# KiCad board Backplane_v2.kicad_pcb (continued)
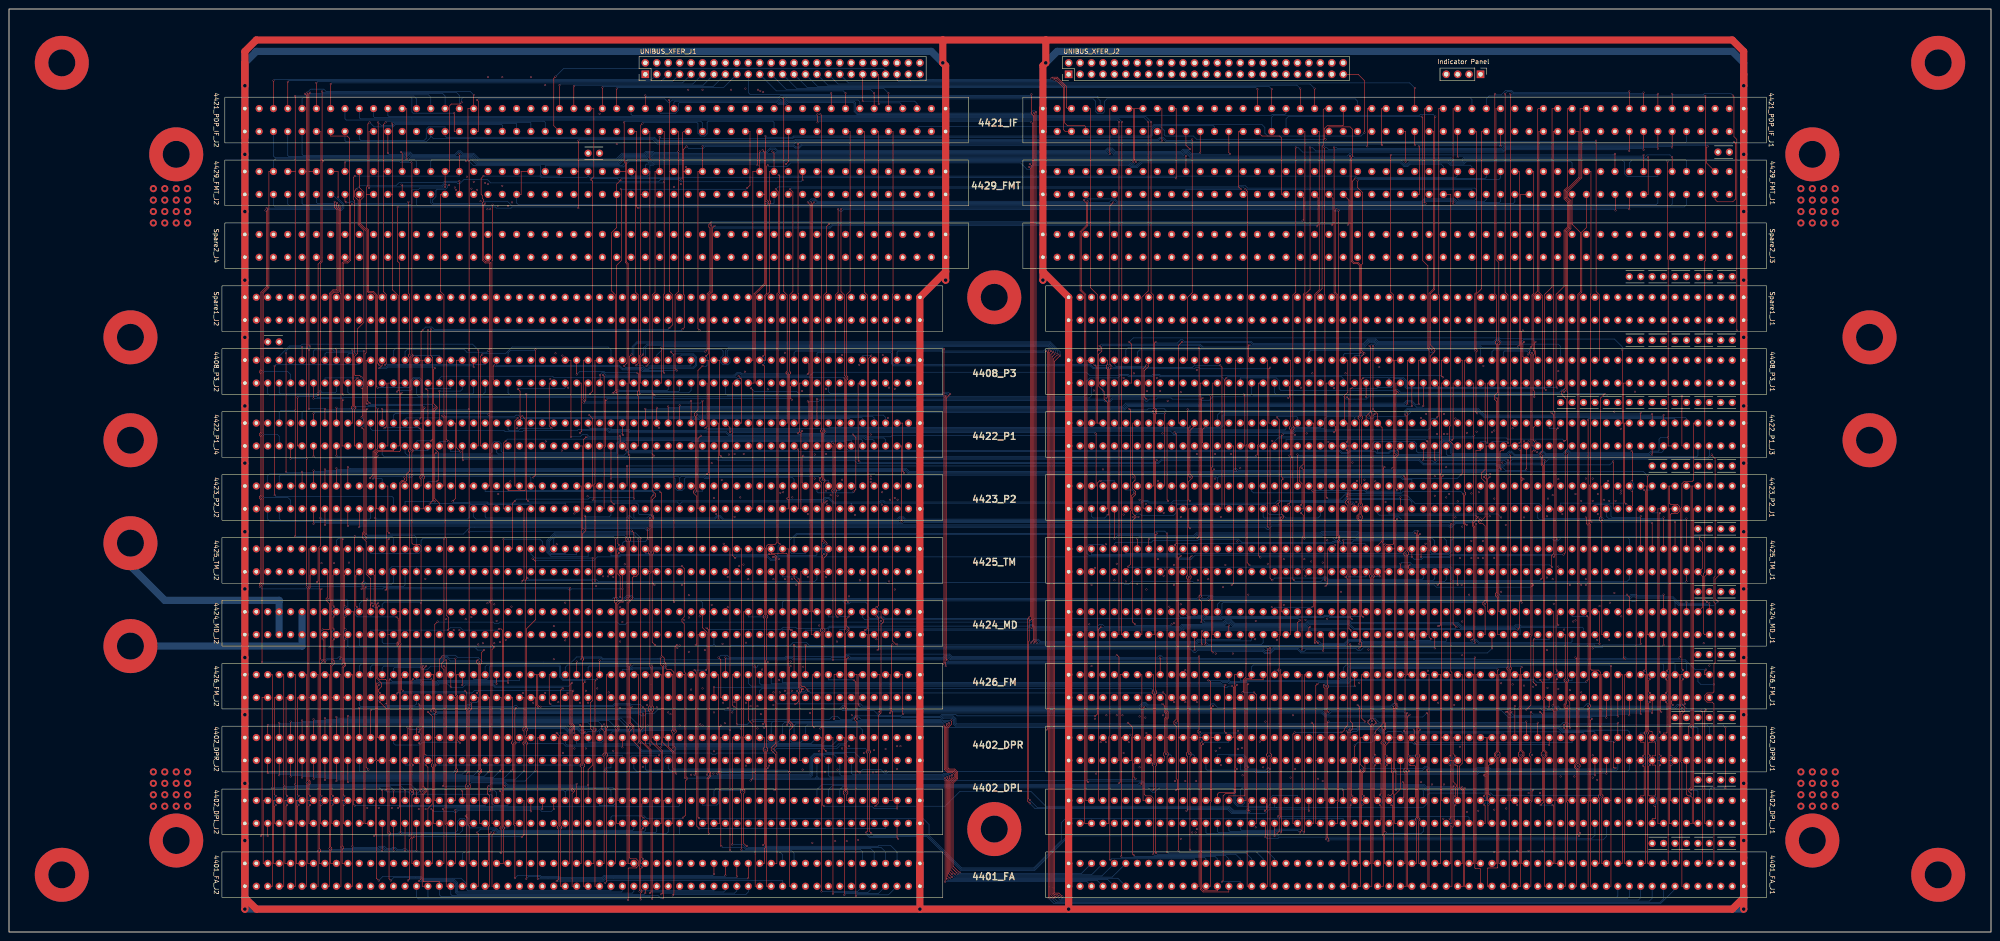
[diagram p0: board, top side]
## Routing (per net, layer and track width the routed paths; a pad name or vN(x,y) marks a point on that pad's centre or on a via; arc(x,y) is an arc through that point) (continued)
  F.Sig.In w0.127: v2(176.06,120.14) 175.8,119.89 175.8,112.01 176.06,111.76 176.44,111.76 176.82,111.38 4422_P1_J4.22 176.82,106.93 177.2,106.55 177.45,106.55 177.84,106.17 177.84,93.35 v2(177.33,92.84) ; 4423_P2_J1.107 250.48,97.15 249.46,96.14 249.46,93.09 249.85,92.71 250.48,92.71 250.73,92.46 v2(250.73,92.2)
  B.Sig.In w0.127: 4408_P3_J1.112 245.4,121.03 245.15,120.78 197.52,120.78 196.89,120.14 v2(176.06,120.14) ; v2(250.73,92.2) 250.73,92.46 250.48,92.71 248.32,92.71 247.56,91.95 187.74,91.95 186.85,92.84 v2(177.33,92.84)
PSL2DP: length 41.7
  F.SigTop w0.127: v2(252.51,125.86) 251.75,125.09 251.75,94.23 252,93.98 4423_P2_J1.106
  B.Sig.Top w0.127: v2(252.51,125.86) 252.26,125.6 245.78,125.6 245.4,125.98 4408_P3_J1.111
PSZIP*: length 261.7
  F.SigTop w0.127: v2(262.16,89.66) 261.91,89.92 261.91,93.98 4423_P2_J1.98 ; v2(127.54,89.41) 127.29,89.66 127.29,107.95 4422_P1_J4.62 ; 4408_P3_J1.49 323.12,127 323.12,97.79 323.38,97.54 323.38,97.15 323.12,96.9 323.12,90.8 323.5,90.42 v2(323.63,90.42)
  B.Sig.Top w0.127: v2(127.54,89.41) 127.8,89.66 141.13,89.66 141.64,89.15 141.89,89.15 142.66,89.92 261.91,89.92 v2(262.16,89.66) 262.42,89.92 278.8,89.92 279.31,89.41 279.56,89.41 280.32,90.17 319.57,90.17 319.82,89.92 320.33,89.92 321.09,90.68 323.25,90.68 323.5,90.42 v2(323.63,90.42)
PUSHA1: length 330.1
  F.SigTop w0.127: v2(207.55,129.54) 207.55,59.69 v2(207.43,59.56) ; 4426_FM_J1.13 370.88,57.15 370.88,15.24 4401_FA_J1.13
  B.Sig.Top w0.127: v2(207.43,59.56) 207.68,59.82 369.61,59.82 369.86,59.56 4426_FM_J1.13 ; 4408_P3_J2.35 159.04,129.16 159.68,129.79 207.3,129.79 v2(207.55,129.54)
PUSHA2: length 317.7
  F.SigTop w0.127: 4401_FA_J1.15 368.34,15.24 368.34,57.15 4426_FM_J1.15 ; v2(207.94,59.05) 207.94,59.69 207.81,59.82 207.81,118.87 v2(208.06,119.13)
  B.Sig.Top w0.127: v2(208.06,119.13) 159.55,119.13 159.04,119.63 4408_P3_J2.36 ; v2(207.94,59.05) 207.94,59.31 208.19,59.56 367.07,59.56 367.32,59.31 4426_FM_J1.15
RBUEQ*: length 306.5
  B.Sig.In w0.127: 4422_P1_J4.116 57.44,104.65 58.07,104.01 137.58,104.01 138.08,103.5 281.85,103.5 283.12,102.24 329.22,102.24 329.98,101.47 356.65,101.47 357.16,100.97 4423_P2_J1.23
RDOMA*: length 126.8
  F.SigTop w0.127: v2(330.49,130.94) 330.49,119.89 329.73,119.13 329.73,118.36 330.24,117.86 330.24,75.44 329.98,75.18 329.98,74.68 330.49,74.17 330.49,66.04 4424_MD_J1.44 ; v2(275.37,130.43) 275.12,130.18 275.12,127.76 4408_P3_J1.87
  B.Sig.Top w0.127: v2(275.37,130.43) 275.63,130.18 300.9,130.18 301.92,131.19 303.19,131.19 303.69,130.68 330.24,130.68 v2(330.49,130.94)
REFSYNC*: length 291.3
  F.SigTop w0.127: v2(135.67,74.42) 135.67,78.99 135.16,79.5 135.16,83.95 v2(135.42,84.2) ; 4408_P3_J2.53 135.16,127 135.16,86.23 v2(135.42,85.98) ; 4424_MD_J1.15 v2(367.32,74.93)
  B.Sig.Top w0.127: v2(135.42,84.2) 135.16,84.46 135.16,85.73 v2(135.42,85.98) ; v2(367.32,74.93) 367.07,74.68 361.48,74.68 361.22,74.93 360.04,74.93 359.53,74.42 267.37,74.42 266.99,74.8 264.45,74.8 263.69,74.04 138.85,74.04 138.08,74.8 137.2,74.8 136.56,74.17 135.93,74.17 v2(135.67,74.42)
REGACLKE: length 79.9
  F.SigTop w0.127: v2(381.04,45.47) v2(381.04,32) ; v2(345.22,45.97) 345.48,46.23 345.48,49.66 345.22,49.91 345.22,50.55 345.48,50.8 345.48,55.5 345.22,55.75 345.22,56.01 345.48,56.26 345.48,66.04 4424_MD_J1.34
  B.Sig.Top w0.127: v2(345.22,45.97) 376.97,45.97 377.48,45.47 ; 377.48,45.47 4402_DPR_J1.7 ; 377.48,45.47 377.99,45.97 380.53,45.97 v2(381.04,45.47) ; v2(381.04,32) 377.86,32 377.48,31.62 4402_DPL_J1.7
REGBCLKE: length 84.3
  F.SigTop w0.127: 376.46,38.1 4402_DPR_J1.8 ; 376.46,38.1 376.46,49.15 v2(376.72,49.4) ; 376.46,38.1 376.46,24.13 4402_DPL_J1.8 ; v2(342.68,50.29) 342.94,50.55 342.94,71.12 4424_MD_J1.35
  B.Sig.Top w0.127: v2(342.68,50.29) 342.81,50.16 343.95,50.16 344.46,49.66 369.99,49.66 370.62,50.29 371.76,50.29 372.4,49.66 376.46,49.66 v2(376.72,49.4)
RTM*: length 53.3
  F.SigTop w0.127: 4422_P1_J4.78 104.68,107.95 104.68,127.89 v2(105.06,128.27)
  B.Sig.Top w0.127: v2(105.06,128.27) 105.32,128.52 110.27,128.52 111.67,129.92 133,129.92 133.64,129.29 4408_P3_J2.55
RUN*: length 161.7
  F.SigTop w0.127: 4421_PDP_IF_J1.93 240.07,182.88 240.07,143.13 241.59,141.61 241.59,129.54 ; 4422_P1_J3.113 241.59,113.03 241.59,129.03 ; v2(242.1,129.29) 241.84,129.29 ; 241.84,129.29 241.59,129.03 ; 241.84,129.29 241.59,129.54 ; 241.59,129.54 241.59,129.03
  B.Sig.Top w0.127: 4408_P3_J1.47 326.68,129.41 326.43,129.67 264.96,129.67 264.32,130.3 242.86,130.3 242.1,129.54 v2(242.1,129.29)
RUNIND: length 155.1
  B.Sig.In w0.127: 4421_PDP_IF_J2.20 180.63,176.53 319.19,176.53 320.08,177.42 320.08,189.48 J39.4
SAMEX: length 74.4
  F.SigTop w0.127: 4423_P2_J1.19 363.51,99.06 v2(363.51,44.2) ; v2(362.75,36.96) 363,36.7 363,30.35 362.88,30.23 362.24,30.23 4402_DPL_J1.19 ; v2(362.75,39.12) 363,39.37 363,42.04 362.88,42.16 362.24,42.16 4402_DPR_J1.19
  B.Sig.Top w0.127: v2(362.75,36.96) 363.26,37.47 363.26,38.61 v2(362.75,39.12) ; v2(363.51,44.2) 362.24,44.2 4402_DPR_J1.19
SAMEY: length 72.9
  F.SigTop w0.127: 4423_P2_J1.20 361.22,93.98 361.22,38.1 ; 361.22,38.1 4402_DPR_J1.20 ; 361.22,38.1 361.22,24.13 4402_DPL_J1.20
SCIN: length 44.4
  F.SigTop w0.127: 4426_FM_J1.33 343.19,57.15 343.19,15.24 4401_FA_J1.33
SELA2: length 44.5
  F.SigTop w0.127: 4401_FA_J1.31 345.98,15.24 345.98,28.7 345.73,28.96 345.73,49.78 345.48,50.04 345.48,50.42 345.73,50.67 v2(345.73,55.88)
  B.Sig.Top w0.127: v2(345.73,55.88) 347,55.88 4426_FM_J1.31
SELMD: length 90.6
  F.SigTop w0.127: 4402_DPR_J1.75 292.14,43.18 ; 292.14,43.18 292.14,29.21 4402_DPL_J1.75 ; 292.14,43.18 292.14,54.1 291.88,54.36 v2(291.88,54.86) ; v2(339,54.86) 338.36,55.5 338.36,64.77 v2(338.62,65.02)
  B.Sig.Top w0.127: v2(338.62,65.02) 341.92,65.02 4424_MD_J1.36 ; v2(339,54.86) 337.98,55.88 298.11,55.88 297.34,55.12 292.14,55.12 v2(291.88,54.86)
SELREGB: length 297.7
  F.SigTop w0.127: v2(95.16,68.96) 94.52,68.33 94.52,49.53 94.78,49.28 94.78,48.77 94.52,48.51 94.52,43.18 ; 4424_MD_J1.33 343.7,70.36 343.7,68.45 v2(343.95,68.2) ; 94.52,43.18 4402_DPR_J2.85 ; 94.52,43.18 94.52,37.47 94.78,37.21 94.78,36.96 94.52,36.7 94.52,29.21 4402_DPL_J2.85
  B.Sig.Top w0.127: v2(343.95,68.2) 343.7,67.94 335.7,67.94 335.44,68.2 334.43,68.2 334.17,67.94 322.49,67.94 321.73,68.71 298.11,68.71 297.72,69.09 288.33,69.09 287.82,68.58 272.07,68.58 271.31,69.34 270.04,69.34 269.53,68.83 265.47,68.83 264.7,69.6 227.62,69.6 226.86,68.83 194.09,68.83 193.84,68.58 193.46,68.58 193.2,68.83 137.32,68.83 136.81,68.33 135.55,68.33 135.04,68.83 109,68.83 108.75,68.58 107.73,68.58 107.48,68.83 95.29,68.83 v2(95.16,68.96)
SETATMA*: length 244.1
  F.SigTop w0.127: 4423_P2_J2.100 v2(77.76,89.92) ; v2(279.44,89.92) 279.44,127 4408_P3_J1.85
  B.Sig.Top w0.127: v2(279.44,89.92) 279.18,90.17 78.01,90.17 v2(77.76,89.92)
SP2ADDR: length 139.2
  F.SigTop w0.127: v2(248.7,131.06) 249.21,130.56 249.21,121.92 4408_P3_J1.110 ; 4422_P1_J3.23 358.18,113.03 v2(358.18,129.29)
  B.Sig.Top w0.127: v2(248.7,131.06) 249.59,131.95 330.87,131.95 331,131.83 338.49,131.83 338.62,131.7 356.4,131.7 358.18,129.92 v2(358.18,129.29)
SP2DP: length 143
  F.SigTop w0.127: 4422_P1_J3.17 v2(364.78,115.06) ; v2(248.7,116.2) 248.96,115.95 248.96,93.98 4423_P2_J1.110
  B.Sig.Top w0.127: v2(364.78,115.06) 364.53,114.81 327.7,114.81 326.17,116.33 310.42,116.33 309.66,115.57 257.08,115.57 256.45,116.2 252.89,116.2 252.64,115.95 248.96,115.95 v2(248.7,116.2)
SP+DP00*: length 85.2
  F.Sig.In w0.127: v2(355.38,73.15) 355.64,73.41 355.64,94.49 354.75,95.38 354.75,96.01 355.64,96.9 355.64,99.57 v2(355,100.2) 355.38,100.58 355.38,104.9 355.64,105.16 355.64,113.03 4422_P1_J3.25 ; v2(324.14,74.93) 4424_MD_J1.49
  B.Sig.In w0.127: v2(355,100.2) 349.54,100.2 4423_P2_J1.29 ; v2(324.14,74.93) 324.14,74.04 324.52,73.66 354.87,73.66 v2(355.38,73.15)
SP+DP01*: length 84.3
  F.Sig.In w0.127: v2(352.59,64.9) 353.1,65.4 353.1,71.75 352.59,72.26 352.59,72.77 353.1,73.28 353.1,91.06 352.84,91.31 352.84,92.71 v2(352.72,92.84) 353.1,93.22 353.1,96.14 352.21,97.03 352.21,97.41 353.1,98.3 353.1,113.03 4422_P1_J3.27
  B.Sig.In w0.127: v2(352.72,92.84) 349.67,92.84 349.54,92.96 4423_P2_J1.30 ; v2(352.59,64.9) 339.51,64.9 339.13,64.52 326.55,64.52 325.79,65.28 324.9,65.28 4424_MD_J1.50
SP+DP02*: length 75.9
  F.Sig.In w0.127: v2(350.05,78.36) 350.56,78.87 350.56,100.2 v2(350.05,100.71) 350.56,101.22 350.56,113.03 4422_P1_J3.29 ; v2(322.49,77.09) 322.87,76.71 322.87,72.39 4424_MD_J1.51
  B.Sig.In w0.127: v2(350.05,100.71) 347.51,100.71 347,100.2 4423_P2_J1.31 ; v2(322.49,77.09) 323,76.58 347.13,76.58 348.4,77.85 349.54,77.85 v2(350.05,78.36)
SP+DP03*: length 74.4
  F.Sig.In w0.127: v2(322.62,68.96) 321.98,68.33 321.98,66.42 4424_MD_J1.52 ; 4422_P1_J3.31 348.02,113.03 348.02,98.17 347,97.15 4423_P2_J1.32 348.02,92.96 348.02,70.23 347.25,69.47 v2(347.25,68.96)
  B.Sig.In w0.127: v2(347.25,68.96) 347,69.22 322.87,69.22 v2(322.62,68.96)
SP+DP04*: length 161.7
  F.Sig.In w0.127: v2(321.6,95.63) 4423_P2_J1.51 ; v2(356.4,75.31) 356.14,75.56 356.14,95.25 v2(356.65,95.76) 356.14,96.27 356.14,102.74 358.18,104.77 358.18,111.38 v2(357.79,111.76)
  B.Sig.In w0.127: 4424_MD_J1.69 298.74,72.77 299.63,73.66 322.49,73.66 323.38,74.55 323.38,75.06 323.89,75.56 329.47,75.56 330.62,74.42 355.64,74.42 356.4,75.18 v2(356.4,75.31) ; v2(356.65,95.76) 356.02,96.39 355.25,96.39 354.37,95.5 352.72,95.5 351.95,96.27 343.32,96.27 342.81,95.76 321.73,95.76 v2(321.6,95.63) ; 4422_P1_J3.39 336.84,111.89 337.22,111.51 344.21,111.51 344.46,111.76 v2(357.79,111.76)
SP+DP05*: length 86.4
  F.Sig.In w0.127: v2(321.09,92.08) 320.96,92.08 320.58,92.46 320.58,93.98 ; 320.58,93.98 320.58,108.84 320.84,109.09 320.84,109.47 320.58,109.73 320.58,113.54 v2(321.09,114.05) ; 320.58,93.98 4423_P2_J1.52 ; v2(300.01,92.2) 300.01,70.49 299.76,70.23 299.76,66.04 4424_MD_J1.70
  B.Sig.In w0.127: v2(321.09,92.08) 320.84,92.33 300.14,92.33 v2(300.01,92.2) ; 4422_P1_J3.41 334.3,114.05 v2(321.09,114.05)
SP+DP06*: length 83.8
  F.Sig.In w0.127: v2(331.51,104.27) 331,104.27 330.74,104.52 330.74,113.03 4422_P1_J3.43 ; v2(319.06,103.25) 4423_P2_J1.53 ; v2(298.23,104.27) 297.47,103.5 297.47,96.39 296.71,95.63 296.71,95.25 297.22,94.74 297.22,71.12 4424_MD_J1.71
  B.Sig.In w0.127: 319.06,103.89 v2(319.06,103.25) ; 319.06,103.89 319.44,104.27 v2(331.51,104.27) ; 319.06,103.89 318.68,104.27 v2(298.23,104.27)
SP+DP07*: length 83.2
  F.Sig.In w0.127: v2(329.22,111) 4422_P1_J3.45 ; v2(299.12,95.5) 298.11,95.5 297.47,94.87 297.47,70.36 297.22,70.1 297.22,66.04 4424_MD_J1.72 ; v2(319.31,110.62) 319.57,110.36 319.57,108.97 320.08,108.46 320.08,98.55 319.06,97.54 v2(319.06,96.52) 4423_P2_J1.54
  B.Sig.In w0.127: v2(319.06,96.52) 318.81,96.27 316.52,96.27 315.76,97.03 308.77,97.03 306.74,95 305.34,95 304.84,95.5 v2(299.12,95.5) ; v2(319.31,110.62) 323.12,110.62 323.38,110.36 324.14,110.36 324.52,110.74 325.41,110.74 325.66,110.49 328.71,110.49 v2(329.22,111)
SP+DP08*: length 85.8
  F.SigTop w0.127: 4422_P1_J3.73 294.42,112.27 294.42,111.25 v2(294.17,111) ; 4424_MD_J1.81 282.48,71.12 282.48,91.57 282.99,92.08 282.99,92.33 282.48,92.84 282.48,100.33 v2(282.87,100.71) 282.48,101.09 282.48,110.24 v2(282.74,110.49)
  B.Sig.Top w0.127: v2(282.87,100.71) 283.12,100.97 308.9,100.97 309.41,100.46 311.44,100.46 4423_P2_J1.59 ; v2(282.74,110.49) 282.99,110.74 285.15,110.74 285.66,111.25 293.91,111.25 v2(294.17,111)
SP+DP09*: length 84.5
  F.SigTop w0.127: 4424_MD_J1.82 284.52,66.04 284.52,94.49 v2(284.01,95) 284.52,95.5 284.52,105.16 284.77,105.41 v2(284.77,112.01)
  B.Sig.Top w0.127: v2(284.77,112.01) 291.12,112.01 4422_P1_J3.75 ; v2(284.01,95) 284.39,95.38 296.45,95.38 297.09,96.01 310.93,96.01 311.44,95.5 4423_P2_J1.60
SP+DP10*: length 72.7
  F.SigTop w0.127: 4422_P1_J3.77 289.6,113.03 289.6,98.3 v2(289.34,98.04) 289.6,97.79 289.6,72.39 v2(289.34,72.14)
  B.Sig.Top w0.127: v2(289.34,72.14) 280.96,72.14 4424_MD_J1.83 ; 4423_P2_J1.61 308.9,97.66 301.28,97.66 300.9,98.04 v2(289.34,98.04)
SP+DP11*: length 86.4
  F.SigTop w0.127: 4424_MD_J1.84 281.98,66.04 281.98,94.62 v2(281.6,95) 281.98,95.38 281.98,113.79 v2(281.47,114.3) ; v2(308.9,96.52) 4423_P2_J1.62
  B.Sig.Top w0.127: v2(308.9,96.52) 308.9,96.39 308.77,96.27 296.96,96.27 296.33,95.63 282.23,95.63 v2(281.6,95) ; 4422_P1_J3.79 286.04,114.3 285.79,114.55 281.72,114.55 v2(281.47,114.3)
SP+DP12*: length 123
  F.Sig.In w0.127: v2(292.64,69.6) 292.64,76.07 292.9,76.33 292.9,76.96 292.64,77.22 292.64,85.22 292.14,85.73 292.14,98.81 292.39,99.06 ; v2(258.61,68.58) 258.86,68.83 258.86,70.36 4424_MD_J1.101 ; 292.39,99.06 4423_P2_J1.75 ; 292.39,99.06 292.39,108.33 v2(292.9,108.84)
  B.Sig.In w0.127: v2(258.61,68.58) 258.86,68.33 265.08,68.33 265.34,68.58 287.82,68.58 288.83,69.6 v2(292.64,69.6) ; v2(292.9,108.84) 291.75,109.98 285.02,109.98 284.01,111 278.42,111 278.17,111.25 267.88,111.25 267.24,111.89 267.24,113.79 266.86,114.17 253.4,114.17 253.02,113.79 4422_P1_J3.105
SP+DP13*: length 106
  F.SigTop w0.127: 249.97,91.95 250.1,92.08 v2(250.1,92.2) 250.1,92.33 249.97,92.46 ; 249.97,91.95 249.97,92.46 ; 249.97,91.95 249.46,91.44 249.46,68.83 v2(249.97,68.33) ; 249.97,92.46 249.46,92.96 249.46,96.52 250.11,97.16 250.11,97.78 249.46,98.42 249.46,99.82 249.97,100.33 249.97,101.22 249.46,101.73 249.46,113.03 4422_P1_J3.107
  F.Sig.In w0.127: v2(258.1,68.33) 4424_MD_J1.102
  B.Sig.Top w0.127: v2(250.1,92.2) 250.1,92.58 250.35,92.84 251.12,92.84 251.5,92.46 258.48,92.46 259.12,93.09 259.12,94.62 259.5,95 278.93,95 279.44,94.49 279.44,93.09 279.82,92.71 282.74,92.71 283.5,91.95 290.61,91.95 291.12,92.46 4423_P2_J1.76 ; v2(249.97,68.33) 250.23,68.07 257.85,68.07 v2(258.1,68.33)
SP+DP14*: length 121.1
  F.Sig.In w0.127: 287.56,99.06 4423_P2_J1.77 ; 287.56,99.06 287.56,88.01 288.07,87.5 288.07,87.25 287.56,86.74 287.56,83.69 288.07,83.18 288.07,81.03 v2(287.56,80.52) ; 287.56,99.06 287.56,110.24 v2(288.07,110.74) ; v2(287.82,79.12) 287.56,78.87 287.56,69.6 v2(287.82,69.34)
  B.Sig.In w0.127: v2(288.07,110.74) 287.56,111.25 278.55,111.25 278.29,111.51 270.04,111.51 269.28,112.27 269.28,114.05 268.89,114.43 248.57,114.43 247.94,113.79 4422_P1_J3.109 ; 4424_MD_J1.103 255.56,70.1 255.81,69.85 287.31,69.85 v2(287.82,69.34) ; v2(287.82,79.12) 287.56,79.38 v2(287.56,80.52)
SP+DP15*: length 92.8
  F.Sig.In w0.127: v2(256.07,110.74) 256.58,110.24 256.58,93.35 v2(256.32,93.09) 256.58,92.84 256.58,89.03 256.32,88.77 256.32,88.26 256.58,88.01 v2(256.58,80.52) ; 4424_MD_J1.104 256.58,66.04 256.58,78.87 v2(256.32,79.12)
  B.Sig.In w0.127: v2(256.32,79.12) 256.58,79.38 v2(256.58,80.52) ; v2(256.07,110.74) 255.56,111.25 245.91,111.25 245.4,111.76 4422_P1_J3.111 ; v2(256.32,93.09) 256.7,92.71 259.24,92.71 259.5,92.96 260.39,92.96 260.64,92.71 286.29,92.71 286.42,92.58 288.33,92.58 288.58,92.84 4423_P2_J1.78
SPA2PNL: length 117.2
  F.SigTop w0.127: 4408_P3_J1.82 284.26,121.16 284.26,118.87 v2(284.01,118.62) ; 4422_P1_J4.21 177.58,113.79 177.58,117.6 v2(177.33,117.86)
  B.Sig.Top w0.127: v2(177.33,117.86) 179.74,117.86 180,118.11 242.99,118.11 243.24,117.86 244.51,117.86 245.02,118.36 251.88,118.36 252.38,117.86 252.64,117.86 253.15,118.36 254.67,118.36 254.93,118.62 257.97,118.62 258.23,118.36 264.45,118.36 264.7,118.11 266.48,118.11 267.24,118.87 283.75,118.87 v2(284.01,118.62)
SPD2PNL: length 115.6
  F.SigTop w0.127: v2(284.26,105.79) 284.52,106.04 284.52,111.51 284.26,111.76 284.26,112.14 284.52,112.39 284.52,127 4408_P3_J1.81
  B.Sig.Top w0.127: 4422_P1_J3.10 374.94,105.79 374.69,105.54 284.52,105.54 v2(284.26,105.79)
SPEC*: length 101.2
  F.Sig.In w0.127: v2(191.3,110.49) 191.3,111.25 191.04,111.51 191.04,121.92 4408_P3_J2.10
  B.Sig.In w0.127: 4422_P1_J4.77 105.7,111.63 105.95,111.38 109.89,111.38 110.14,111.12 113.95,111.12 114.21,111.38 153.2,111.38 153.45,111.12 155.61,111.12 155.87,111.38 159.29,111.38 159.42,111.51 175.55,111.51 175.8,111.76 190.79,111.76 191.3,111.25 v2(191.3,110.49)
SPIN*: length 182.2
  F.SigTop w0.127: 4408_P3_J1.51 322.62,127 322.62,101.85 v2(322.24,101.47) ; v2(262.16,112.27) 261.91,112.01 261.91,101.22 v2(262.16,100.97)
  B.Sig.Top w0.127: 268.26,100.84 4423_P2_J1.93 ; 268.26,100.84 267.88,101.22 262.42,101.22 v2(262.16,100.97) ; 268.26,100.84 268.64,101.22 309.03,101.22 309.54,100.71 321.47,100.71 v2(322.24,101.47) ; v2(262.16,112.27) 261.91,112.01 182.15,112.01 181.9,112.27 4422_P1_J4.17
SR2HD*: length 291.5
  F.SigTop w0.127: v2(297.72,172.34) 297.72,121.92 4408_P3_J1.70
  B.Sig.Top w0.127: 4421_PDP_IF_J2.92 65.06,172.72 65.31,172.47 87.67,172.47 87.92,172.72 88.81,172.72 89.32,172.21 102.78,172.21 104.05,170.94 135.16,170.94 136.43,172.21 141.39,172.21 141.77,172.59 142.66,172.59 142.91,172.34 260.64,172.34 261.15,172.85 261.4,172.85 262.16,172.08 297.47,172.08 v2(297.72,172.34)
SRADEC: length 62.4
  F.SigTop w0.127: 4423_P2_J2.22 175.8,93.98 175.8,111 v2(176.06,111.25)
  B.Sig.Top w0.127: v2(176.06,111.25) 175.8,111.51 154.85,111.51 154.72,111.38 137.96,111.38 137.7,111.63 133.77,111.63 133.64,111.76 4422_P1_J4.55
SRAINC: length 54.8
  F.SigTop w0.127: v2(133.64,100.71) 4422_P1_J4.56
  B.Sig.Top w0.127: v2(133.64,100.71) 133.89,100.97 147.61,100.97 147.86,100.71 147.86,98.55 148.37,98.04 149.39,98.04 149.9,98.55 149.9,100.58 150.28,100.97 154.21,100.97 154.47,100.71 155.48,100.71 155.74,100.97 173.9,100.97 174.28,100.58 4423_P2_J2.23
SRAOVD: length 55.9
  F.Sig.In w0.127: 4423_P2_J2.47 144.82,99.06 144.82,111.51 v2(144.31,112.01)
  B.Sig.In w0.127: 4422_P1_J4.15 184.44,112.01 175.68,112.01 175.42,111.76 159.29,111.76 159.17,111.63 155.74,111.63 155.48,111.38 154.09,111.38 153.83,111.63 144.69,111.63 v2(144.31,112.01)
SRSWE*: length 84.5
  F.Sig.In w0.127: v2(178.85,100.71) 178.34,100.2 178.34,93.98 4423_P2_J2.20 ; 4422_P1_J4.74 111.54,107.19 111.54,100.33 v2(111.29,100.08)
  B.Sig.In w0.127: v2(178.85,100.71) 178.73,100.84 152.82,100.84 152.44,101.22 133.51,101.22 132.88,100.58 121.07,100.58 120.56,100.08 v2(111.29,100.08)
STA2PNL: length 105.3
  F.SigTop w0.127: v2(371.38,119) 371.38,107.95 4422_P1_J3.12
  B.Sig.Top w0.127: v2(371.38,119) 371,119.38 355,119.38 354.62,119 348.27,119 347.89,119.38 281.34,119.38 280.96,119.76 4408_P3_J1.84
TM2A1: length 245.8
  F.SigTop w0.127: v2(161.2,83.06) 160.56,83.69 160.56,121.92 4408_P3_J2.34
  B.Sig.Top w0.127: 4425_TM_J1.21 359.7,87.25 359.32,87.63 344.59,87.63 343.82,86.87 343.06,86.87 342.56,87.38 320.71,87.38 320.33,87 320.33,84.58 319.57,83.82 310.55,83.82 310.3,83.57 309.92,83.57 309.79,83.69 263.31,83.69 262.42,82.8 259.5,82.8 258.99,83.31 170.85,83.31 170.09,82.55 169.07,82.55 168.31,83.31 161.45,83.31 v2(161.2,83.06)
TM2DP: length 136.1
  F.SigTop w0.127: v2(249.72,97.41) 249.21,96.9 249.21,93.73 248.96,93.47 248.96,81.66 v2(248.45,81.15)
  B.Sig.Top w0.127: v2(249.72,97.41) 249.72,97.79 249.34,98.17 247.94,98.17 4423_P2_J1.109 ; 4425_TM_J1.22 359.7,78.36 359.19,77.85 320.2,77.85 320.08,77.98 320.08,80.77 319.82,81.03 248.57,81.03 v2(248.45,81.15)
TM2M1: length 41.5
  F.SigTop w0.127: v2(138.72,96.27) 4423_P2_J2.51 ; v2(112.3,95.76) 111.8,95.25 111.8,85.09 4425_TM_J2.73
  B.Sig.Top w0.127: v2(138.72,96.27) 138.47,96.52 128.94,96.52 128.57,96.15 112.69,96.15 v2(112.3,95.76)
TM2PNL: length 305
  F.SigTop w0.127: 4408_P3_J1.48 327.7,121.92 327.7,102.74 326.93,101.98 326.93,100.71 327.7,99.95 327.7,92.2 v2(326.68,91.19)
  B.Sig.Top w0.127: 4423_P2_J2.116 57.44,91.69 57.95,91.19 197.46,91.19 197.97,91.69 198.28,91.69 198.79,91.19 v2(326.68,91.19)
TMA00: length 30.9
  F.SigTop w0.127: 4423_P2_J1.25 353.6,99.06 v2(353.6,91.57) ; 4425_TM_J1.13 v2(369.86,91.06)
  B.Sig.Top w0.127: v2(369.86,91.06) 369.61,91.31 353.86,91.31 v2(353.6,91.57)
TMA01: length 21.7
  F.SigTop w0.127: 4425_TM_J1.15 v2(367.32,92.08)
  B.Sig.Top w0.127: 4423_P2_J1.26 354.62,92.33 355.13,91.82 367.07,91.82 v2(367.32,92.08)
TMA02: length 28.4
  F.SigTop w0.127: 4423_P2_J1.27 351.06,99.06 351.06,91.31 v2(351.32,91.06) ; 4425_TM_J1.17 v2(364.78,90.8)
  B.Sig.Top w0.127: v2(364.78,90.8) 364.53,91.06 v2(351.32,91.06)
TMA2PNL: length 101.8
  F.Sig.In w0.127: 4423_P2_J1.37 338.11,99.06 338.11,108.58 337.86,108.84 337.86,127.63 v2(337.22,128.27)
  B.Sig.In w0.127: 4408_P3_J1.93 268.26,128.27 268.64,128.65 299.38,128.65 299.88,129.16 315.12,129.16 315.63,128.65 336.84,128.65 v2(337.22,128.27)
TMA03: length 21
  F.SigTop w0.127: 4425_TM_J1.19 v2(362.24,92.33)
  B.Sig.Top w0.127: 4423_P2_J1.28 352.08,95 355.13,95 355.64,94.49 355.64,92.33 355.89,92.08 361.99,92.08 v2(362.24,92.33)
TMA04: length 46.7
  F.Sig.In w0.127: v2(357.79,97.41) 358.18,97.03 358.18,85.09 4425_TM_J1.23
  B.Sig.In w0.127: v2(357.79,97.41) 357.16,96.77 343.06,96.77 342.81,96.52 342.56,96.52 342.05,97.03 330.49,97.03 329.6,97.92 326.68,97.92 4423_P2_J1.47
TMA05: length 45.1
  F.Sig.In w0.127: 4423_P2_J1.48 326.3,94.36 v2(326.3,97.66) ; v2(354.11,96.01) 353.6,95.5 353.6,92.2 354.11,91.69 354.11,91.44 353.6,90.93 353.6,85.09 4425_TM_J1.25
  B.Sig.In w0.127: v2(326.3,97.66) 329.47,97.66 330.36,96.77 341.92,96.77 342.43,96.27 342.94,96.27 343.19,96.52 353.6,96.52 v2(354.11,96.01)
TMA06: length 47.4
  F.Sig.In w0.127: 4425_TM_J1.27 351.06,85.09 351.06,90.17 351.83,90.93 351.83,91.31 351.06,92.08 351.06,94.49 352.08,95.5 352.08,96.14 351.06,97.15 351.06,100.2 v2(351.57,100.71)
  B.Sig.In w0.127: 4423_P2_J1.49 324.14,100.08 346.49,100.08 347.52,101.1 351.18,101.1 v2(351.57,100.71)
TMA07: length 38.3
  F.Sig.In w0.127: 4425_TM_J1.29 348.52,85.09 348.52,95.5 348.78,95.76 v2(349.03,95.76)
  B.Sig.In w0.127: v2(349.03,95.76) 348.78,95.5 324.52,95.5 324.14,95.12 4423_P2_J1.50
TMA08: length 47.6
  F.Sig.In w0.127: 4425_TM_J1.33 344.46,87.5 343.44,88.52 343.44,100.08 v2(343.95,100.58) ; v2(316.52,101.22) 4423_P2_J1.55
  B.Sig.In w0.127: v2(316.52,101.22) 317.03,100.71 322.24,100.71 322.62,101.09 322.62,101.35 323,101.73 327.7,101.73 327.95,101.47 327.95,100.97 328.33,100.58 334.55,100.58 334.94,100.97 343.56,100.97 v2(343.95,100.58)
TMA09: length 41.2
  F.Sig.In w0.127: v2(316.52,96.9) 4423_P2_J1.56 ; v2(341.67,96.27) 342.94,95 342.94,85.09 4425_TM_J1.35
  B.Sig.In w0.127: v2(316.52,96.9) 316.65,97.03 319.19,97.03 319.44,96.77 329.98,96.77 330.24,96.52 341.29,96.52 341.54,96.27 v2(341.67,96.27)
TMA10: length 40.3
  F.Sig.In w0.127: v2(314.49,86.23) 315,86.74 315,99.06 4423_P2_J1.57
  B.Sig.In w0.127: v2(314.49,86.23) 314.74,86.49 324.14,86.49 324.39,86.23 339.38,86.23 4425_TM_J1.37
TMA11: length 32.4
  F.Sig.In w0.127: v2(336.33,92.08) 335.82,91.57 335.82,85.09 4425_TM_J1.39
  B.Sig.In w0.127: v2(336.33,92.08) 335.82,91.57 330.11,91.57 328.84,92.84 313.98,92.84 4423_P2_J1.58
TMA12: length 70.6
  F.Sig.In w0.127: 4423_P2_J1.71 295.18,98.04 295.18,76.07 v2(295.69,75.56) ; v2(331.25,75.56) 330.74,76.07 330.74,85.09 4425_TM_J1.43
  B.Sig.In w0.127: v2(331.25,75.56) 331,75.82 295.95,75.82 v2(295.69,75.56)
TMA13: length 49.9
  F.Sig.In w0.127: 4425_TM_J1.45 330.24,85.09 330.24,95.76 v2(329.73,96.27)
  B.Sig.In w0.127: 4423_P2_J1.72 296.2,92.84 299.25,92.84 299.5,93.09 300.52,93.09 300.77,92.84 306.87,92.84 307.38,93.35 307.38,95.25 308.14,96.01 319.31,96.01 319.69,96.39 329.6,96.39 v2(329.73,96.27)
TMA14: length 51
  F.Sig.In w0.127: 4425_TM_J1.47 327.44,85.85 327.44,86.61 v2(327.19,86.87) ; v2(292.64,87) 292.64,95.5 293.15,96.01 293.15,96.65 292.64,97.15 292.64,99.06 4423_P2_J1.73
  B.Sig.In w0.127: v2(327.19,86.87) 326.68,87.38 299.12,87.38 298.87,87.63 296.2,87.63 295.31,86.74 292.9,86.74 v2(292.64,87)
TMA15: length 42.1
  F.Sig.In w0.127: v2(324.65,86.87) 324.9,86.61 324.9,85.85 4425_TM_J1.49 ; v2(294.42,85.98) 294.42,86.61 294.17,86.87 294.17,87.63 294.68,88.14 294.68,93.98 4423_P2_J1.74
  B.Sig.In w0.127: v2(294.42,85.98) 294.68,86.23 304.58,86.23 305.09,86.74 324.52,86.74 v2(324.65,86.87)
TMALD*A: length 122.3
  F.SigTop w0.127: v2(157.52,91.69) 157.52,113.03 4422_P1_J4.37
  B.Sig.Top w0.127: 4423_P2_J2.114 59.98,91.82 60.36,91.44 157.26,91.44 v2(157.52,91.69)
TMINH: length 42.5
  F.SigTop w0.127: 4425_TM_J1.11 v2(372.4,91.82)
  B.Sig.Top w0.127: 4423_P2_J1.38 339.38,91.95 339.76,91.57 352.97,91.57 353.48,92.08 353.73,92.08 354.24,91.57 372.15,91.57 v2(372.4,91.82)
TMNEG: length 50.2
  F.SigTop w0.127: v2(342.56,81.03) 342.43,81.15 342.43,83.57 342.94,84.07 342.94,93.98 4423_P2_J1.36 ; v2(308.9,81.79) 4425_TM_J1.62
  B.Sig.Top w0.127: v2(308.9,81.79) 309.15,82.04 311.06,82.04 311.57,81.53 342.05,81.53 v2(342.56,81.03)
TMREGE: length 270.1
  F.SigTop w0.127: v2(309.66,101.22) 309.92,100.97 309.92,85.09 4425_TM_J1.61
  B.Sig.Top w0.127: 4423_P2_J2.113 59.98,101.22 60.23,101.47 88.17,101.47 88.68,100.97 89.32,100.97 89.82,101.47 154.47,101.47 154.72,101.22 155.23,101.22 155.48,101.47 190.54,101.47 190.79,101.73 192.19,101.73 192.44,101.47 309.41,101.47 v2(309.66,101.22)
TSPIN: length 205.4
  F.SigTop w0.127: v2(182.79,108.71) 183.17,108.33 v2(183.17,98.04) ; v2(320.33,109.22) 320.58,109.47 320.58,121.92 4408_P3_J1.52
  B.Sig.Top w0.127: v2(320.33,109.22) 320.08,109.47 318.3,109.47 317.54,108.71 317.54,106.55 317.41,106.43 312.84,106.43 312.46,106.81 312.46,108.46 311.95,108.97 303.19,108.97 302.8,108.58 302.8,107.31 302.42,106.93 297.6,106.93 297.22,106.55 295.95,106.55 295.56,106.93 186.35,106.93 185.96,107.31 185.96,108.58 185.58,108.97 182.41,108.97 ; 182.41,108.97 151.67,108.97 151.42,108.71 4422_P1_J4.42 ; 182.41,108.97 182.66,108.97 182.79,108.84 v2(182.79,108.71) ; v2(183.17,98.04) 184.44,98.04 4423_P2_J2.15
